# Altium PCB PCB1_1.pcbdoc (part 3 of 3) (continued)
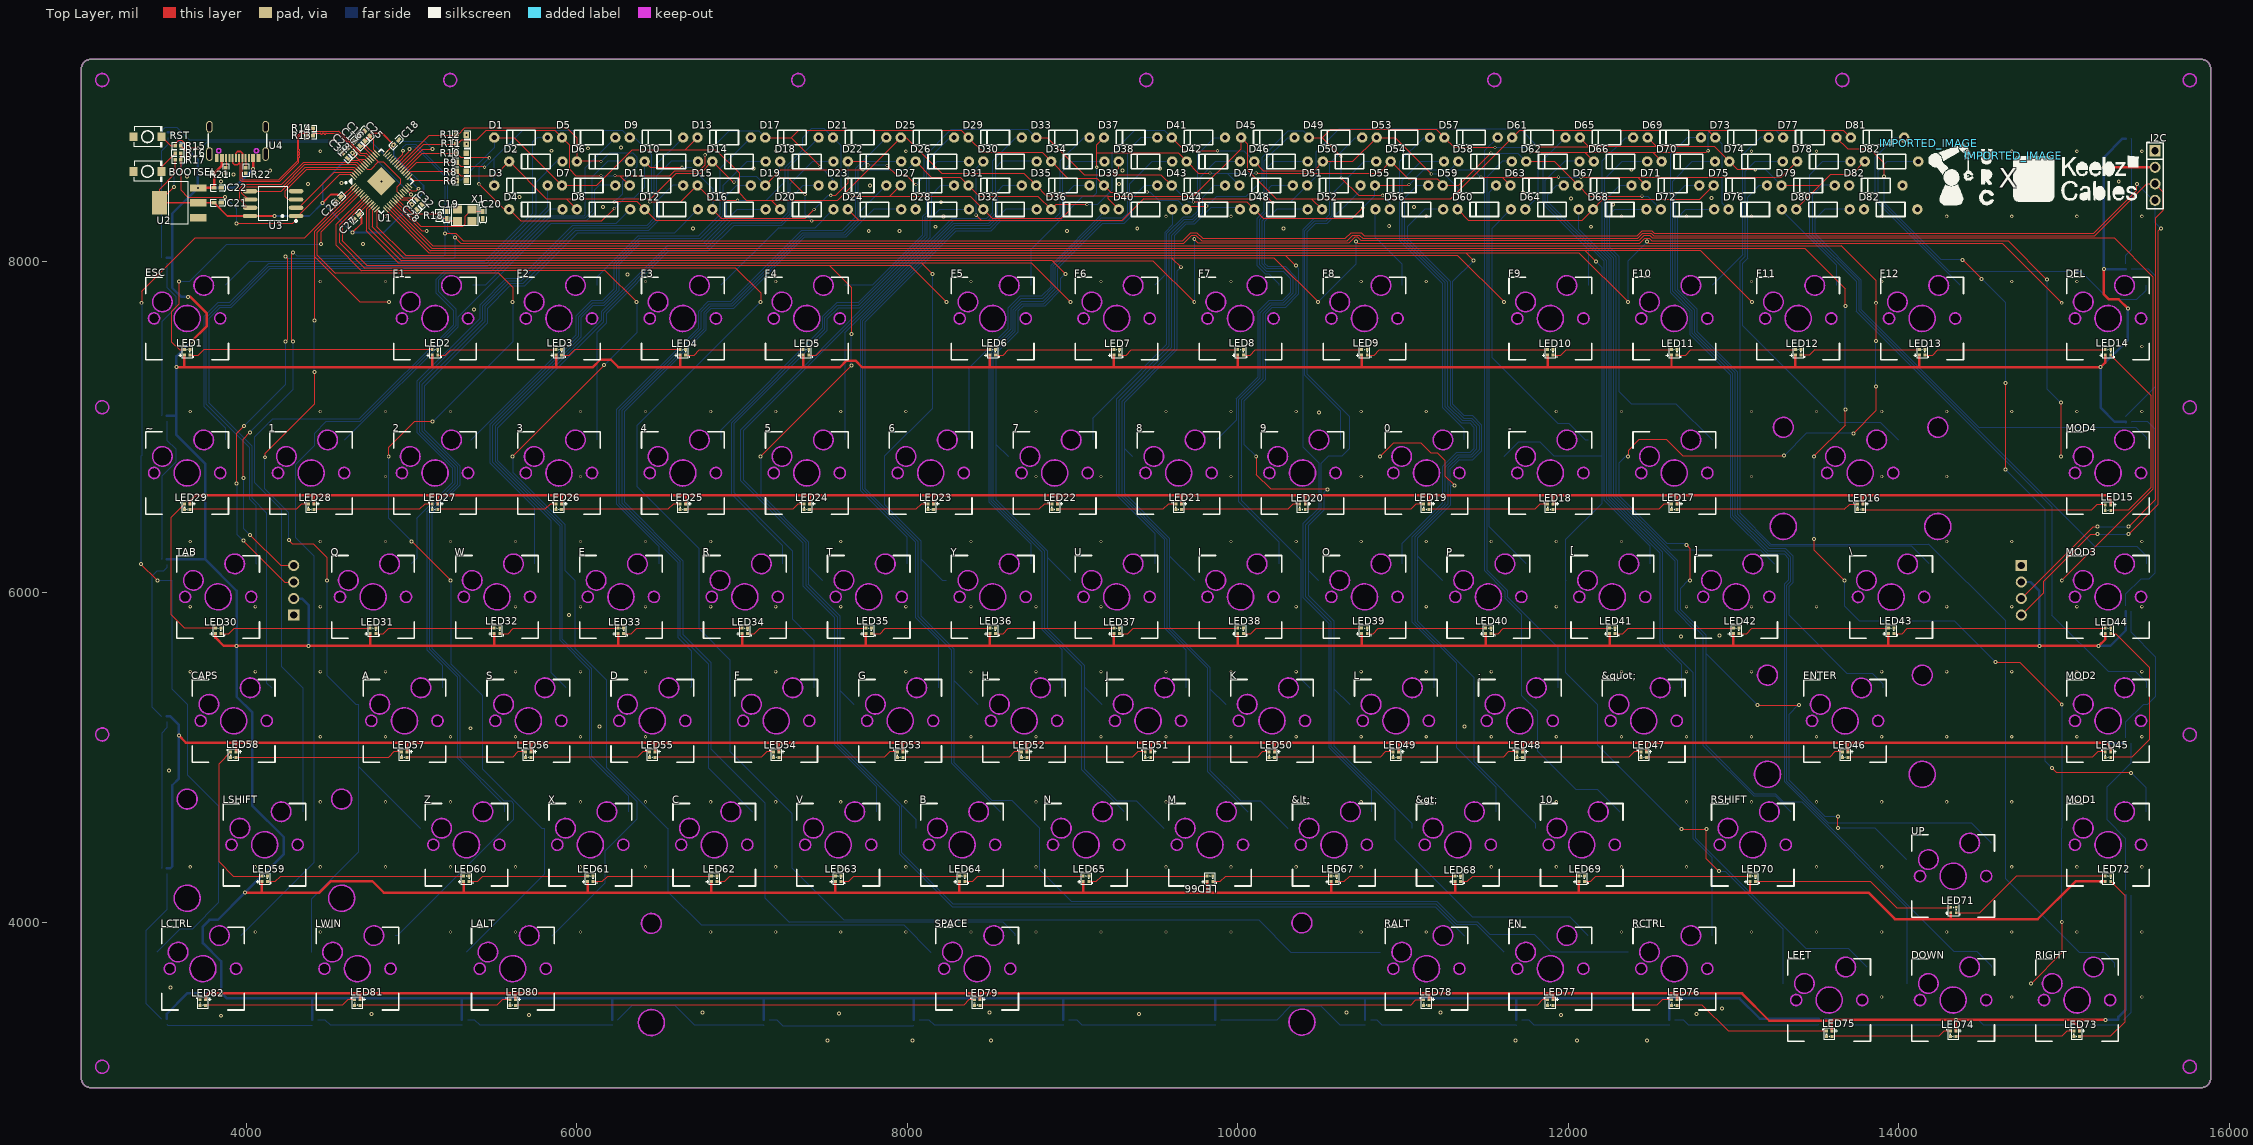
[diagram p0: Top Layer view]
## Nets (pads, with @x,y where several pads share a name; then routed paths per layer and width w, separated by ;. In a path a pad name is that pad's centre, name@x,y a point inside that pad or via, vN(x,y) a via of type N, cw(c..) or ccw(c..) an arc to the next point about the centre after c; other vN are vias at no path point) (continued)
  Bottom Layer w5: v1(5440.9,8570.51) 5445.9,8570.51 5499.48,8624.09 ; D3.1@5499.49,8460.51 5499.48,8624.09 ; v1(6440.9,8360.51) 6450.9,8370.51 6450.9,8650.51 6350.9,8750.51 D9.1@6319.49,8750.51 6274.48,8795.51 5670.9,8795.51 5499.48,8624.09 ; v1(6970.9,8370.51) 7145.9,8370.51 7260.9,8485.51 7260.9,8570.51 7365.9,8675.51 7365.9,8750.51 7420.9,8805.51 7494.48,8805.51 D21.1@7549.49,8750.51 7595.9,8704.09 7595.9,8455.51 v1(7655.9,8395.51) ; v1(8980.91,8315.51) 9060.91,8395.51 9125.91,8395.51 9145.91,8415.51 v1(9145.91,8570.51) ; v1(9830.91,8535.51) 9934.49,8535.51 ; D47.1@10009.49,8460.51 9934.49,8535.51 ; v1(10110.91,8535.51) 9934.49,8535.51 ; v1(11530.91,8655.51) 11694.49,8655.51 D62.1@11744.49,8605.51 ; v1(12445.91,8395.51) 12479.49,8395.51 D72.1@12559.49,8315.51
R4: D4.1 D10.1 D16.1 D22.1 D28.1 D33.1 D38.1 D43.1 D48.1 D55.1 D58.1 D63.1 D71.1 D78.1 R10.2 U1.32 | length 10673.8
  Top Layer w5: U1.32@4953.71,8545.37 5063.86,8655.51 R10.2@5271.24,8655.51 ; R10.2@5272.28,8654.68 5299.12,8627.84 v1@5469.58,8627.84 ; v1(5405.9,8470.51) 5560.9,8315.51 D4.1@5589.49,8315.51 5659.48,8245.51 6150.9,8245.51 v1(6225.9,8320.51) ; D10.1@6409.49,8605.51 6444.48,8570.51 v1(6635.9,8570.51) ; D16.1@6819.49,8315.51 6874.48,8260.51 7380.9,8260.51 v1(7435.9,8315.51) ; v1(7535.9,8400.51) 7565.9,8400.51 7640.9,8475.51 v1(7640.9,8505.51) ; D22.1@7639.49,8605.51 7740.9,8605.51 v1(7760.9,8585.51) ; v1(7875.9,8580.51) 7930.9,8525.51 7990.9,8525.51 v1(8050.9,8465.51) ; D33.1@8779.49,8750.51 8845.9,8750.51 9070.91,8525.51 9240.91,8525.51 ; D38.1@9279.49,8605.51 9279.48,8564.09 9240.91,8525.51 ; D43.1@9599.49,8460.51 9534.49,8525.51 9240.91,8525.51 ; v1(9730.91,8360.51) 10054.49,8360.51 D48.1@10099.49,8315.51 10154.49,8260.51 10690.91,8260.51 v1(10755.91,8325.51) ; D55.1@10829.49,8460.51 11030.91,8460.51 v1(11035.91,8465.51) ; v1(11470.91,8510.51) 11599.49,8510.51 ; D63.1@11649.49,8460.51 11599.49,8510.51 ; v1(11940.91,8510.51) 11599.49,8510.51 ; v1(12075.91,8510.51) 12419.49,8510.51 ; D71.1@12469.49,8460.51 12419.49,8510.51 ; D78.1@13384.49,8605.51 13289.48,8510.51 12419.49,8510.51
  Bottom Layer w5: v1(5405.9,8470.51) 5405.9,8564.17 v1(5469.59,8627.86) ; v1(6225.9,8320.51) 6290.9,8385.51 6345.9,8385.51 6410.9,8450.51 6410.9,8604.09 D10.1@6409.49,8605.51 ; v1(6635.9,8570.51) 6690.9,8570.51 6820.9,8440.51 6820.9,8316.93 D16.1@6819.49,8315.51 ; v1(7435.9,8315.51) 7520.9,8400.51 v1(7535.9,8400.51) ; D22.1@7639.49,8605.51 7640.9,8604.09 v1(7640.9,8505.51) ; v1(7760.9,8585.51) 7870.9,8585.51 v1(7875.9,8580.51) ; D28.1@8049.49,8315.51 8050.9,8316.93 v1(8050.9,8465.51) 8100.9,8515.51 8100.9,8635.51 8265.91,8800.51 8729.49,8800.51 D33.1@8779.49,8750.51 ; D43.1@9599.49,8460.51 9699.49,8360.51 v1(9730.91,8360.51) ; v1(10755.91,8325.51) 10829.48,8399.09 D55.1@10829.49,8460.51 ; v1(11035.91,8465.51) 11125.91,8555.51 11284.48,8555.51 ; D58.1@11334.49,8605.51 11284.48,8555.51 ; v1(11470.91,8510.51) 11425.91,8555.51 11284.48,8555.51 ; v1(11940.91,8510.51) v1(12075.91,8510.51)
R5: D5.1 D11.1 D17.1 D23.1 D29.1 D34.1 D39.1 D44.1 D49.1 D56.1 D57.1 D66.1 D70.1 D77.1 R11.2 U1.34 | length 10884.9
  Top Layer w5: U1.34@4931.45,8567.63 5074.32,8710.51 R11.2@5271.24,8710.51 ; R11.2@5269.57,8705.25 5302.86,8738.53 5394.12,8738.53 5450.1,8794.51 5866.5,8794.51 D5.1@5910.4,8750.61 ; D5.1@5909.49,8750.51 5955.9,8704.09 5955.9,8558.72 5994.11,8520.51 v1(6145.9,8520.51) ; v1(6230.9,8520.51) 6259.48,8520.51 ; D11.1@6319.49,8460.51 6259.48,8520.51 ; v1(6775.9,8645.51) 6775.9,8585.51 6740.9,8550.51 6590.9,8550.51 6560.9,8520.51 6259.48,8520.51 ; D17.1@7139.49,8750.51 7295.9,8750.51 ; v1(7470.9,8575.51) 7295.9,8750.51 ; v1(9450.91,8420.51) 9229.49,8420.51 D39.1@9189.49,8460.51 9144.49,8505.51 8969.49,8505.51 D34.1@8869.49,8605.51 8814.49,8660.51 8459.49,8660.51 D29.1@8369.49,8750.51 8324.49,8795.51 7340.9,8795.51 7295.9,8750.51 ; D44.1@9689.49,8315.51 9709.48,8335.51 v1(9810.91,8335.51) ; D49.1@10429.49,8750.51 10510.9,8750.51 ; v1(10625.91,8505.51) 10730.91,8400.51 v1(10875.91,8400.51) ; v1(10625.91,8635.51) 10510.9,8750.51 ; v1(11555.91,8690.51) 11309.49,8690.51 D57.1@11249.49,8750.51 11199.49,8800.51 10560.9,8800.51 10510.9,8750.51 ; v1(11770.91,8660.51) 12099.49,8660.51 ; D66.1@12154.49,8605.51 12099.49,8660.51 ; D70.1@12564.49,8605.51 12509.49,8660.51 ; v1(12845.91,8670.51) 12835.91,8660.51 12509.49,8660.51 ; 12099.49,8660.51 12509.49,8660.51
  Bottom Layer w5: v1(6145.9,8520.51) v1(6230.9,8520.51) ; v1(6775.9,8645.51) 6920.9,8790.51 7099.48,8790.51 D17.1@7139.49,8750.51 ; v1(7470.9,8575.51) 7549.48,8496.93 D23.1@7549.49,8460.51 ; v1(9450.91,8420.51) 9470.91,8420.51 9520.91,8370.51 9634.49,8370.51 D44.1@9689.49,8315.51 ; v1(9810.91,8335.51) 9870.91,8395.51 10050.91,8395.51 10145.91,8490.51 10145.91,8630.51 10305.91,8790.51 10395.91,8790.51 10429.48,8756.93 D49.1@10429.49,8750.51 ; v1(10625.91,8505.51) v1(10625.91,8635.51) ; v1(10875.91,8400.51) 10919.48,8356.93 D56.1@10919.49,8315.51 ; v1(11555.91,8690.51) 11740.91,8690.51 v1(11770.91,8660.51) ; v1(12845.91,8670.51) 12845.91,8775.51 12865.91,8795.51 13254.49,8795.51 D77.1@13299.49,8750.51
R6: D6.1 D12.1 D18.1 D24.1 D30.1 D51.1 D64.1 D65.1 D69.1 D74.1 D79.1 D80.1 D82.1@13794.49,8605.51 R12.2 U1.35 | length 11950.3
  Top Layer w5: U1.35@4920.31,8578.77 5107.05,8765.51 R12.2@5271.24,8765.51 ; R12.2@5280.65,8768.58 5321.41,8809.35 5938.68,8809.35 6000.15,8747.88 D6.1@6000.15,8606.82 ; D6.1@5999.49,8605.51 v1(6145.9,8605.51) ; v1(6225.9,8360.51) 6364.48,8360.51 D12.1@6409.49,8315.51 6479.48,8245.51 v1(7420.9,8245.51) 7709.48,8245.51 ; v1(7225.9,8505.51) 7280.9,8505.51 v1(7380.9,8405.51) ; D24.1@7639.49,8315.51 7709.48,8245.51 ; v1(8415.91,8280.51) 8450.91,8245.51 ; v1(10210.91,8355.51) 10185.91,8380.51 9430.91,8380.51 9295.91,8245.51 8450.91,8245.51 ; v1(11815.91,8695.51) 12124.49,8695.51 ; D65.1@12069.49,8750.51 12124.49,8695.51 ; D69.1@12479.49,8750.51 12534.49,8695.51 ; v1(13130.91,8555.51) 13024.49,8555.51 D74.1@12974.49,8605.51 12884.49,8695.51 12534.49,8695.51 ; D79.1@13289.49,8460.51 13520.91,8460.51 ; D80.1@13379.49,8315.51 13379.48,8319.09 13520.91,8460.51 ; D82.1@13794.49,8605.51 13714.48,8525.51 13585.91,8525.51 13520.91,8460.51 ; 7709.48,8245.51 8450.91,8245.51 ; 12124.49,8695.51 12534.49,8695.51
  Bottom Layer w5: v1(6145.9,8605.51) 6195.9,8655.51 6340.9,8655.51 6365.9,8630.51 6365.9,8575.51 6275.9,8485.51 6275.9,8410.51 v1(6225.9,8360.51) ; v1(7225.9,8505.51) 7225.9,8601.93 D18.1@7229.49,8605.51 ; v1(7380.9,8405.51) 7380.9,8285.51 v1(7420.9,8245.51) ; v1(8415.91,8280.51) 8415.91,8565.51 8455.91,8605.51 D30.1@8459.49,8605.51 ; v1(10210.91,8355.51) 10314.48,8355.51 D51.1@10419.49,8460.51 10470.91,8511.93 10470.91,8660.51 10610.91,8800.51 11710.91,8800.51 v1(11815.91,8695.51) 11815.91,8391.93 D64.1@11739.49,8315.51 ; v1(13130.91,8555.51) 13194.49,8555.51 D79.1@13289.49,8460.51
SCL1: I2C.3 U1.37 | length 17815.4
  Top Layer w5: v2(3940.91,6655.51) 3940.91,6960.51 v2(3985.91,7005.51) ; v2(3980.91,6310.51) 4230.9,6060.51 I2C.3@4285.9,6060.51 ; v2(4235.9,7515.51) 4245.9,7525.51 4245.9,8020.51 v2(4235.9,8030.51) ; U1.37@4898.04,8601.04 4945.9,8648.91 v2(4945.9,8670.51) ; v2(5260.9,8145.51) 5295.9,8110.51 9670.91,8110.51 9720.91,8160.51 9745.91,8160.51 9780.91,8125.51 10660.91,8125.51 10695.91,8160.51 10735.91,8160.51 10755.91,8140.51 12420.91,8140.51 12450.91,8170.51 12500.91,8170.51 12515.91,8155.51 15185.91,8155.51 15500.91,8470.51 I2C.3@15550.91,8470.51 15600.91,8420.51 15600.91,8310.51 15555.91,8265.51 15555.91,6560.51 v2(15390.91,6395.51) ; I2C.3@14740.91,5960.51 15175.91,6395.51 v2(15200.91,6395.51)
  Bottom Layer w5: v2(3940.91,6655.51) 3940.91,6350.51 v2(3980.91,6310.51) ; v2(3985.91,7005.51) 4235.9,7255.51 v2(4235.9,7515.51) ; v2(4235.9,8030.51) 4250.9,8015.51 5250.9,8015.51 5260.9,8025.51 v2(5260.9,8145.51) 5215.9,8190.51 5215.9,8520.51 5025.9,8710.51 4965.9,8710.51 4945.9,8690.51 v2(4945.9,8670.51) ; v2(15200.91,6395.51) v2(15390.91,6395.51)
SDA1: I2C.4 U1.36 | length 17672
  Top Layer w5: v2(3980.91,6690.51) 3980.91,6925.51 v2(4020.91,6965.51) ; v2(4020.91,6345.51) 4205.9,6160.51 I2C.4@4285.9,6160.51 ; v2(4280.9,7515.51) 4270.9,7525.51 4270.9,8045.51 v2(4280.9,8055.51) ; U1.36@4909.17,8589.91 4985.9,8666.64 v2(4985.9,8680.51) ; v2(5200.9,8170.51) 5265.9,8170.51 5310.9,8125.51 9665.91,8125.51 9715.91,8175.51 9750.91,8175.51 9785.91,8140.51 10650.91,8140.51 10685.91,8175.51 10745.91,8175.51 10765.91,8155.51 12415.91,8155.51 12445.91,8185.51 12505.91,8185.51 12520.91,8170.51 15180.91,8170.51 15440.91,8430.51 v2(15440.91,8470.51) ; I2C.4@14740.91,5860.51 14875.91,5995.51 14875.91,6065.51 15160.91,6350.51 v2(15200.91,6350.51) ; v2(15390.91,6350.51) 15570.91,6530.51 15570.91,8185.51 v2(15585.91,8200.51)
  Bottom Layer w5: v2(3980.91,6690.51) 3980.91,6385.51 v2(4020.91,6345.51) ; v2(4020.91,6965.51) 4280.9,7225.51 v2(4280.9,7515.51) ; v2(4280.9,8055.51) 4305.9,8030.51 5190.9,8030.51 5200.9,8040.51 v2(5200.9,8170.51) 5200.9,8515.51 5020.9,8695.51 5000.9,8695.51 v2(4985.9,8680.51) ; v2(15200.91,6350.51) v2(15390.91,6350.51) ; v2(15440.91,8470.51) 15540.91,8370.51 I2C.4@15550.91,8370.51 15550.91,8235.51 v2(15585.91,8200.51)
VCC: C22.2 I2C.2 LED1.2 LED2.2 LED3.2 LED4.2 LED5.2 LED6.2 LED7.2 LED8.2 LED9.2 LED10.2 LED11.2 LED12.2 LED13.2 LED14.2 LED15.2 LED16.2 LED17.2 LED18.2 LED19.2 LED20.2 LED21.2 LED22.2 LED23.2 LED24.2 LED25.2 LED26.2 LED27.2 LED28.2 LED29.2 LED30.2 LED31.2 LED32.2 LED33.2 LED34.2 LED35.2 LED36.2 LED37.2 LED38.2 LED39.2 LED40.2 LED41.2 LED42.2 LED43.2 LED44.2 LED45.2 LED46.2 LED47.2 LED48.2 LED49.2 LED50.2 LED51.2 LED52.2 LED53.2 LED54.2 LED55.2 LED56.2 LED57.2 LED58.2 LED59.2 LED60.2 LED61.2 LED62.2 LED63.2 LED64.2 LED65.2 LED66.2 LED67.2 LED68.2 LED69.2 LED70.2 LED71.2 LED72.2 LED73.2 LED74.2 LED75.2 LED76.2 LED77.2 LED78.2 LED79.2 LED80.2 LED81.2 LED82.2 LED83.2 LED84.2 LED85.2 LED86.2 LED87.2 LED88.2 LED89.2 LED90.2 LED91.2 LED92.2 LED93.2 LED94.2 LED95.2 LED96.2 LED97.2 LED98.2 LED99.2 LED100.2 LED101.2 LED102.2 LED103.2 LED104.2 LED105.2 LED106.2 LED107.2 LED108.2 U2.3 U4.A4B9 U4.B4A9 | length 98812.9
  Top Layer w15: v2(3575.91,7361.31) 5123.26,7361.31 ; v2(3590.91,5130.51) 3632.27,5089.14 3937.64,5089.14 ; 3624.18,7361.37 LED1.2@3624.18,7433.78 ; v2(3645.91,7785.51) 3660.91,7785.51 3760.91,7685.51 3760.91,7610.51 v2(3665.91,7515.51) ; LED29.2@3657.64,6532.24 3657.64,6552.24 3690.82,6585.43 v2(3750.91,6585.43) 4405.18,6585.43 ; v2(3705.91,8445.51) 3706.45,8446.06 U2.3@3707.83,8446.06 C22.2@3804.99,8446.06 ; LED82.2@3752.64,3532.24 3752.64,3552.24 3770.91,3570.51 v2(3845.91,3570.51) 4687.39,3570.51 ; C22.2@3804.45,8445.51 C22.2@3804.99,8446.06 ; LED30.2@3811.87,5748.78 3811.87,5724.55 3862.41,5674.01 v2(3940.91,5674.01) v2(4375.63,5674.01) 4750.08,5674.01 ; U4.B4A9@3851.42,8626.02 3851.42,8581.02 3805.91,8535.51 3805.91,8446.97 C22.2@3804.99,8446.06 ; LED58.2@3937.64,5032.24 3937.64,5089.14 ; v2(3990.97,4180.58) 4092.67,4180.58 ; v2(4040.4,8560.51) U4.A4B9@4040.4,8626.02 ; LED59.2@4092.86,4248.78 4092.86,4180.76 4092.67,4180.58 ; LED28.2@4407.64,6532.24 4407.64,6582.97 4405.18,6585.43 ; LED81.2@4687.64,3532.24 4687.64,3570.26 4687.39,3570.51 ; LED31.2@4749.18,5748.78 4749.18,5674.91 4750.08,5674.01 ; LED57.2@4972.64,5032.24 4972.64,5088 4973.78,5089.14 ; LED2.2@5124.18,7433.78 5124.18,7362.22 5123.26,7361.31 ; LED27.2@5157.64,6532.24 5157.64,6584.25 5156.45,6585.43 ; LED60.2@5314.18,4248.78 5314.18,4180.85 5314.51,4180.51 ; LED32.2@5499.18,5748.78 5499.18,5677.5 5495.68,5674.01 ; LED80.2@5627.64,3532.24 5627.64,3570.48 ; LED56.2@5722.64,5032.24 5722.64,5088.16 5723.62,5089.14 ; LED3.2@5874.18,7433.78 5874.18,7361.95 5873.53,7361.31 ; LED26.2@5907.64,6532.24 5907.64,6584.62 5906.82,6585.43 ; LED61.2@6064.18,4248.78 6064.18,4180.85 6064.52,4180.51 ; LED33.2@6249.18,5748.78 6249.18,5674.54 6249.71,5674.01 ; LED55.2@6472.64,5032.24 6472.64,5088.91 6472.4,5089.14 ; LED4.2@6624.18,7433.78 6624.18,7361.01 6623.67,7360.51 ; LED25.2@6657.64,6532.24 6657.64,6584.47 6656.67,6585.43 ; LED62.2@6814.18,4248.78 6814.18,4181.2 6814.86,4180.51 ; LED34.2@6999.18,5748.78 6999.18,5675.45 7000.62,5674.01 ; LED54.2@7222.64,5032.24 7222.64,5089.06 7222.55,5089.14 ; LED5.2@7369.18,7433.78 7369.18,7360.61 7369.07,7360.51 ; LED24.2@7407.64,6532.24 7407.64,6585.43 ; LED63.2@7564.18,4248.78 7564.18,4181.11 7563.57,4180.51 ; LED35.2@7749.18,5748.78 7749.18,5674.14 7749.04,5674.01 ; LED53.2@7972.64,5032.24 7972.64,5088.04 7971.53,5089.14 ; LED23.2@8157.64,6532.24 8157.64,6585.23 8157.83,6585.43 ; LED64.2@8314.17,4248.78 8314.17,4180.59 8314.1,4180.51 ; LED79.2@8438.88,3532.24 8438.88,3569.8 8439.59,3570.51 ; LED36.2@8499.17,5748.78 8499.17,5674.49 8498.69,5674.01 ; LED6.2@8499.17,7433.78 8499.17,7360.96 8498.72,7360.51 ; LED52.2@8722.64,5032.24 8722.64,5088.51 8722,5089.14 ; LED22.2@8907.64,6532.24 8907.64,6583.81 8906.02,6585.43 ; LED65.2@9064.17,4248.78 9064.17,4182.55 9062.13,4180.51 ; LED37.2@9249.17,5748.78 9249.17,5674.3 9249.47,5674.01 ; LED7.2@9249.17,7433.78 9249.17,7362.07 9247.62,7360.51 ; LED51.2@9472.64,5032.24 9472.64,5088.87 9472.37,5089.14 ; LED21.2@9657.64,6532.24 9657.64,6585.42 ; LED66.2@9814.17,4248.78 9814.17,4181.94 9812.74,4180.51 ; LED38.2@9999.17,5748.78 9999.17,5674.23 9998.95,5674.01 ; LED8.2@9999.17,7433.78 9999.17,7361.28 9999.95,7360.51 ; LED50.2@10222.64,5032.24 10222.64,5086.73 10220.22,5089.14 ; LED20.2@10407.64,6532.24 10407.64,6585.26 10407.47,6585.43 ; LED67.2@10564.17,4248.78 10564.17,4180.71 10563.97,4180.51 ; LED39.2@10749.17,5748.78 10749.17,5674.24 10749.41,5674.01 ; LED9.2@10749.17,7433.78 10749.17,7360.61 10749.08,7360.51 ; LED49.2@10972.64,5032.24 10972.64,5089.08 ; LED78.2@11157.64,3532.24 11157.64,3570.09 11158.06,3570.51 ; LED19.2@11157.64,6532.24 11157.64,6584.31 11156.51,6585.43 ; LED68.2@11314.17,4248.78 11314.17,4181.71 11312.98,4180.51 ; LED40.2@11499.17,5748.78 11499.17,5675.08 11498.1,5674.01 ; LED48.2@11722.64,5032.24 11722.64,5088.58 11722.07,5089.14 ; LED10.2@11874.17,7433.78 11874.17,7360.85 11874.51,7360.51 ; LED77.2@11907.64,3532.24 11907.64,3570.06 11908.09,3570.51 ; LED18.2@11907.64,6532.24 11907.64,6582.51 11904.72,6585.43 ; LED69.2@12064.17,4248.78 12064.17,4181.46 12063.22,4180.51 ; LED41.2@12249.17,5748.78 12249.17,5675.54 12247.64,5674.01 ; LED47.2@12472.64,5032.24 12472.64,5087.24 12470.73,5089.14 ; 12624.17,7360.53 LED11.2@12624.17,7433.78 ; LED76.2@12657.64,3532.24 12657.64,3569.96 12658.18,3570.51 ; LED17.2@12657.64,6532.24 12657.64,6583.1 12655.31,6585.43 ; LED42.2@12999.17,5748.78 12999.17,5674.38 12998.81,5674.01 ; 13099.17,4180.56 LED70.2@13099.17,4248.78 ; LED12.2@13374.17,7433.78 13374.17,7361.26 13373.43,7360.51 ; LED75.2@13595.35,3342.24 13595.35,3404.84 13596.01,3405.51 ; LED46.2@13691.32,5032.24 13691.32,5088.77 13690.94,5089.14 ; LED16.2@13782.64,6532.24 13782.64,6585.1 13782.97,6585.43 ; 13936.12,5674.07 LED43.2@13936.12,5748.78 ; LED13.2@14124.17,7433.78 14124.17,7361.09 14123.59,7360.51 ; LED71.2@14314.17,4058.78 14314.17,4020.81 14313.88,4020.51 ; LED74.2@14345.18,3342.24 14345.18,3409.78 v2(14345.91,3410.51) ; LED73.2@15092.64,3342.24 15092.64,3363.78 15045.91,3410.51 ; v2(15240.91,7955.51) 15240.91,7800.51 15270.91,7770.51 15330.91,7770.51 v2(15385.91,7715.51) ; v2(15240.91,8570.32) 15550.72,8570.32 I2C.2@15550.91,8570.51 ; LED72.2@15249.17,4248.78 15069.17,4248.78 14840.91,4020.51 14313.88,4020.51 ; LED44.2@15249.17,5748.78 15249.17,5713.78 v2(15209.4,5674.01) v2(14850.91,5674.01) 12998.81,5674.01 ; LED14.2@15249.17,7433.78 15249.17,7388.78 v2(15220.91,7360.51) 14123.59,7360.51 ; v2(15250.91,3410.51) 15045.91,3410.51 ; LED45.2@15282.64,5032.24 15282.64,5058.78 v2(15252.27,5089.14) 13690.94,5089.14 ; LED15.2@15282.64,6527.24 15282.64,6558.78 15255.99,6585.43 13782.97,6585.43 ; 3937.64,5089.14 v2(4035.91,5089.14) 4973.78,5089.14 ; 4092.67,4180.58 4440.97,4180.58 4510.9,4250.51 4760.9,4250.51 4830.9,4180.51 5314.51,4180.51 ; 4405.18,6585.43 5156.45,6585.43 ; 4687.39,3570.51 8439.59,3570.51 ; 4750.08,5674.01 5495.68,5674.01 ; 4973.78,5089.14 5723.62,5089.14 ; 5123.26,7361.31 5873.53,7361.31 ; 5156.45,6585.43 5906.82,6585.43 ; 5314.51,4180.51 6064.52,4180.51 ; 5495.68,5674.01 6249.71,5674.01 ; 5723.62,5089.14 6472.4,5089.14 ; 5873.53,7361.31 6096.7,7361.31 6140.9,7405.51 6205.9,7405.51 6250.9,7360.51 6623.67,7360.51 ; 5906.82,6585.43 6656.67,6585.43 ; 6064.52,4180.51 6814.86,4180.51 ; 6249.71,5674.01 7000.62,5674.01 ; 6472.4,5089.14 7222.55,5089.14 ; 6623.67,7360.51 7369.07,7360.51 ; 6656.67,6585.43 8157.83,6585.43 ; 6814.86,4180.51 7563.57,4180.51 ; 7000.62,5674.01 7749.04,5674.01 ; 7222.55,5089.14 7971.53,5089.14 ; 7369.07,7360.51 7590.9,7360.51 7630.9,7400.51 7685.9,7400.51 7725.9,7360.51 8498.72,7360.51 ; 7563.57,4180.51 8314.1,4180.51 ; 7749.04,5674.01 8498.69,5674.01 ; 7971.53,5089.14 8722,5089.14 ; 8157.83,6585.43 8906.02,6585.43 ; 8314.1,4180.51 9062.13,4180.51 ; 8439.59,3570.51 11158.06,3570.51 ; 8498.69,5674.01 9249.47,5674.01 ; 8498.72,7360.51 9247.62,7360.51 ; 8722,5089.14 9472.37,5089.14 ; 8906.02,6585.43 10407.47,6585.43 ; 9062.13,4180.51 9812.74,4180.51 ; 9247.62,7360.51 9999.95,7360.51 ; 9249.47,5674.01 9998.95,5674.01 ; 9472.37,5089.14 10220.22,5089.14 ; 9812.74,4180.51 10563.97,4180.51 ; 9998.95,5674.01 10749.41,5674.01 ; 9999.95,7360.51 10749.08,7360.51 ; 10220.22,5089.14 11722.07,5089.14 ; 10407.47,6585.43 11156.51,6585.43 ; 10563.97,4180.51 11312.98,4180.51 ; 10749.08,7360.51 11874.51,7360.51 ; 10749.41,5674.01 11498.1,5674.01 ; 11156.51,6585.43 11904.72,6585.43 ; 11158.06,3570.51 11908.09,3570.51 ; 11312.98,4180.51 12063.22,4180.51 ; 11498.1,5674.01 12247.64,5674.01 ; 11722.07,5089.14 12470.73,5089.14 ; 11874.51,7360.51 13373.43,7360.51 ; 11904.72,6585.43 12655.31,6585.43 ; 11908.09,3570.51 12658.18,3570.51 ; 12063.22,4180.51 13815.91,4180.51 13975.91,4020.51 14313.88,4020.51 ; 12247.64,5674.01 12998.81,5674.01 ; 12470.73,5089.14 13690.94,5089.14 ; 12655.31,6585.43 13782.97,6585.43 ; 12658.18,3570.51 13050.91,3570.51 13215.91,3405.51 13596.01,3405.51 ; 13373.43,7360.51 14123.59,7360.51 ; 13596.01,3405.51 13601.01,3410.51 v2(14345.91,3410.51) ; v2(14345.91,3410.51) 15045.91,3410.51
  Bottom Layer w15: LED89.2@3517.64,3417.24 3517.64,3447.24 3640.91,3570.51 v2(3845.91,3570.51) ; LED88.2@3517.64,4327.24 3538.85,4327.24 3550.91,4339.3 3550.91,4830.51 3590.91,4870.51 v2(3590.91,5130.51) 3590.91,5195.51 3539.18,5247.24 LED87.2@3517.64,5247.24 ; LED86.2@3517.64,6197.24 3750.91,6197.24 ; LED85.2@3517.64,7067.24 3575.4,7067.24 3575.91,7067.74 ; LED84.2@3517.64,8022.24 3549.72,8022.24 3550.91,8023.42 ; LED83.2@3522.64,8782.24 3538.99,8782.24 3705.91,8615.33 v2(3705.91,8445.51) ; v2(3645.91,7785.51) 3605.91,7785.51 3550.91,7840.51 3550.91,8023.42 ; v2(3665.91,7515.51) 3575.91,7425.51 v2(3575.91,7361.31) 3575.91,7067.74 ; v2(4040.4,8560.51) 3925.4,8445.51 v2(3705.91,8445.51) ; I2C.2@4285.9,5960.51 4335.9,5960.51 4375.63,5920.79 v2(4375.63,5674.01) ; LED90.2@4399.18,3412.24 4399.18,3538.42 4397.08,3540.51 ; LED91.2@5304.18,3412.24 5304.18,3539.3 5305.39,3540.51 ; LED92.2@6214.18,3412.24 6214.18,3539.7 6213.37,3540.51 ; LED93.2@7129.18,3412.24 7129.18,3539.88 7128.55,3540.51 ; LED94.2@8039.18,3412.24 8039.18,3539.66 8040.02,3540.51 ; LED95.2@8944.17,3412.24 8944.17,3539.97 8943.63,3540.51 ; LED96.2@9864.17,3412.24 9864.17,3540.18 9864.5,3540.51 ; LED97.2@10769.17,3412.24 10769.17,3540.31 10769.38,3540.51 ; LED98.2@11684.17,3412.24 11684.17,3539.98 11684.7,3540.51 ; LED99.2@12611.16,3412.24 12611.16,3540.23 12610.88,3540.51 ; LED100.2@13516.16,3417.24 13159.18,3417.24 13035.91,3540.51 12610.88,3540.51 ; v2(14345.91,3410.51) 14347.64,3412.24 LED101.2@14407.19,3412.24 ; I2C.2@14740.91,6060.51 14795.91,6060.51 14850.91,6005.51 v2(14850.91,5674.01) ; v2(15209.4,5674.01) 15279.4,5674.01 15374.17,5768.78 LED105.2@15374.17,5883.78 ; v2(15250.91,3410.51) 15252.64,3412.24 LED102.2@15329.17,3412.24 15329.17,3428.6 15374.17,3473.6 LED103.2@15374.17,4163.78 ; v2(15252.27,5089.14) 15257.64,5083.78 LED104.2@15374.17,5083.78 ; LED106.2@15374.17,7028.78 15372.44,7030.51 15305.91,7030.51 15220.91,7115.51 v2(15220.91,7360.51) 15385.91,7525.51 v2(15385.91,7715.51) ; LED107.2@15374.17,7953.78 15242.64,7953.78 v2(15240.91,7955.51) v2(15240.91,8570.32) 15240.91,8630.51 15354.17,8743.78 LED108.2@15374.17,8743.78 ; 3550.91,8023.42 3550.91,8290.51 v2(3705.91,8445.51) ; 3575.91,7067.74 3575.91,6950.51 3750.91,6775.51 v2(3750.91,6585.43) 3750.91,6197.24 ; 3750.91,6197.24 3940.91,6007.24 v2(3940.91,5674.01) 3940.91,5365.51 4035.91,5270.51 v2(4035.91,5089.14) 4035.91,4705.51 4225.9,4515.51 4225.9,4415.51 v2(3990.97,4180.58) 3825.91,4015.51 3775.91,4015.51 3735.91,3975.51 3735.91,3875.51 3845.91,3765.51 v2(3845.91,3570.51) ; v2(3845.91,3570.51) 3850.91,3570.51 3880.91,3540.51 4397.08,3540.51 ; 4397.08,3540.51 5305.39,3540.51 ; 5305.39,3540.51 6213.37,3540.51 ; 6213.37,3540.51 7128.55,3540.51 ; 7128.55,3540.51 8040.02,3540.51 ; 8040.02,3540.51 8943.63,3540.51 ; 8943.63,3540.51 9864.5,3540.51 ; 9864.5,3540.51 10769.38,3540.51 ; 10769.38,3540.51 11684.7,3540.51 ; 11684.7,3540.51 12610.88,3540.51
XIN: C20.2 U1.20 X1.1 | length 674.6
  Top Layer w5: U1.20@4898.04,8369.98 5057.5,8210.51 5305.9,8210.51 5320.9,8225.51 5320.9,8271.65 X1.1@5364.22,8314.96 5377.2,8301.97 C20.2@5430.9,8301.97
XOUT: R18.1 U1.21 | length 301.3
  Top Layer w5: U1.21@4909.17,8381.11 5004.76,8285.51 5153.86,8285.51 R18.1@5165.9,8297.55
pads on no net: D82.1@13699.49,8460.51 D82.1@13789.49,8315.51 D82.2@14022.32,8460.51 D82.2@14112.32,8315.51 LED82.1 LED108.1 U1.6 U1.24 U1.25 U1.28 U1.38 U1.39 U1.40 U1.41 U4.A8 U4.B8

## Keep-outs
Board Outline Layer:
  circle w10: c15760.91,3126.76 r39.37
  circle w10: c15760.91,5136.86 r39.37
  circle w10: c15760.91,7117.17 r39.37
  circle w10: c15760.91,9097.49 r39.37
  circle w10: c13658.23,9098.66 r39.37
  circle w10: c11551.94,9098.66 r39.37
  circle w10: c9445.64,9098.66 r39.37
  circle w10: c7339.35,9098.66 r39.37
  circle w10: c5233.05,9098.66 r39.37
  circle w10: c3126.76,9098.66 r39.37
  circle w10: c3126.76,7118.35 r39.37
  circle w10: c3126.76,5138.04 r39.37
  circle w10: c3126.76,3126.76 r39.37
  circle w1: c6450.51,3994.29 r60.04
  circle w10: c6450.51,3994.29 r60.04
  circle w1: c6450.51,3394.29 r78.74
  circle w10: c6450.51,3394.29 r78.74
  circle w1: c10387.52,3397.06 r78.74
  circle w10: c10387.52,3397.06 r78.74
  circle w1: c10387.52,3997.06 r60.04
  circle w10: c10387.52,3997.06 r60.04
  circle w1: c13204.92,4896.71 r78.74
  circle w10: c13204.92,4896.71 r78.74
  circle w1: c13204.92,5496.71 r60.04
  circle w10: c13204.92,5496.71 r60.04
  circle w1: c14141.93,4896.71 r78.74
  circle w10: c14141.93,4896.71 r78.74
  circle w1: c14141.89,5496.71 r60.04
  circle w10: c14141.89,5496.71 r60.04
  circle w1: c13300.91,6996.71 r60.04
  circle w10: c13300.91,6996.71 r60.04
  circle w1: c13300.94,6396.71 r78.74
  circle w10: c13300.94,6396.71 r78.74
  circle w1: c14235.91,6996.71 r60.04
  circle w10: c14235.91,6996.71 r60.04
  circle w1: c14235.94,6396.71 r78.74
  circle w10: c14235.94,6396.71 r78.74
  circle w1: c4575.9,4746.71 r60.04
  circle w10: c4575.9,4746.71 r60.04
  circle w1: c4575.9,4146.71 r78.74
  circle w10: c4575.9,4146.71 r78.74
  circle w1: c3640.91,4746.71 r60.04
  circle w10: c3640.91,4746.71 r60.04
  circle w1: c3640.91,4146.71 r78.74
  circle w10: c3640.91,4146.71 r78.74
  lines w10: 3000,3059.05 3000,9165.19 cw(c3059.05,9165.19) 3059.05,9224.24 15828.61,9224.24 cw(c15828.61,9165.19) 15887.67,9165.19 15887.67,3059.05 cw(c15828.61,3059.05) 15828.61,3000 3059.05,3000 cw(c3059.05,3059.05) 3000,3059.05

## Silkscreen, mask and mechanical layers (free items; w line width, h text height)
Top Silkscreen Layer:
  text "X" at 14605.91,8445.51 h120
Mechanical Layer:
  circle w1: c6450.51,3994.29 r60.04
  circle w1: c6450.51,3394.29 r78.74
  circle w1: c10387.52,3397.06 r78.74
  circle w1: c10387.52,3997.06 r60.04
  circle w1: c13204.92,4896.71 r78.74
  circle w1: c13204.92,5496.71 r60.04
  circle w1: c14141.93,4896.71 r78.74
  circle w1: c14141.89,5496.71 r60.04
  circle w1: c13300.91,6996.71 r60.04
  circle w1: c13300.94,6396.71 r78.74
  circle w1: c14235.91,6996.71 r60.04
  circle w1: c14235.94,6396.71 r78.74
  circle w1: c4575.9,4746.71 r60.04
  circle w1: c4575.9,4146.71 r78.74
  circle w1: c3640.91,4746.71 r60.04
  circle w1: c3640.91,4146.71 r78.74
Mech6:
  drawing of 153 lines, arcs and shapes, not listed

## Text inside footprints (layer, text, board x,y; h text height)
0: Mech6 "1U" at 11392.95,6348.64 h117.97
1: Mech6 "1U" at 4642.95,6348.64 h117.97
2: Mech6 "1U" at 5392.95,6348.64 h117.97
3: Mech6 "1U" at 6142.95,6348.64 h117.97
4: Mech6 "1U" at 6892.95,6348.64 h117.97
5: Mech6 "1U" at 7642.95,6348.64 h117.97
6: Mech6 "1U" at 8392.95,6348.64 h117.97
7: Mech6 "1U" at 9142.95,6348.64 h117.97
8: Mech6 "1U" at 9892.95,6348.64 h117.97
9: Mech6 "1U" at 10642.95,6348.64 h117.97
10: Mech6 "1U" at 12332.95,4098.64 h117.97
&gt;: Mech6 "1U" at 11582.95,4098.64 h117.97
&lt;: Mech6 "1U" at 10832.95,4098.64 h117.97
&quot;: Mech6 "1U" at 12707.95,4848.64 h117.97
-: Mech6 "1U" at 12142.95,6348.64 h117.97
;: Mech6 "1U" at 11957.95,4848.64 h117.97
[: Mech6 "1U" at 12517.95,5598.64 h117.97
\: Mech6 "1U" at 14205.33,5598.2 h117.97
]: Mech6 "1U" at 13267.95,5598.64 h117.97
A: Mech6 "1U" at 5207.95,4848.64 h117.97
B: Mech6 "1U" at 8582.95,4098.64 h117.97
BACKSPACE: Mech6 "1U" at 13513.86,6348.64 h117.97
C: Mech6 "1U" at 7082.95,4098.64 h117.97
CAPS: Mech6 "1U" at 4174.64,4848.6 h117.97
D: Mech6 "1U" at 6707.95,4848.64 h117.97
DEL: Mech6 "1U" at 15517.95,7283.64 h117.97
DOWN: Mech6 "1U" at 14580.53,3158.84 h117.97
E: Mech6 "1U" at 6517.95,5598.64 h117.97
ENTER: Mech6 "1U" at 13926.59,4848.2 h117.97
ESC: Mech6 "1U" at 3892.75,7284.03 h117.97
F: Mech6 "1U" at 7457.95,4848.64 h117.97
F1: Mech6 "1U" at 5392.95,7283.64 h117.97
F2: Mech6 "1U" at 6142.95,7283.64 h117.97
F3: Mech6 "1U" at 6892.95,7283.64 h117.97
F4: Mech6 "1U" at 7642.95,7283.64 h117.97
F5: Mech6 "1U" at 8767.95,7283.64 h117.97
F6: Mech6 "1U" at 9517.95,7283.64 h117.97
F7: Mech6 "1U" at 10267.95,7283.64 h117.97
F8: Mech6 "1U" at 11017.95,7283.64 h117.97
F9: Mech6 "1U" at 12142.95,7283.64 h117.97
F10: Mech6 "1U" at 12892.95,7283.64 h117.97
F11: Mech6 "1U" at 13642.95,7283.64 h117.97
F12: Mech6 "1U" at 14392.95,7283.64 h117.97
FN: Mech6 "1U" at 12142.95,3348.64 h117.97
G: Mech6 "1U" at 8207.95,4848.64 h117.97
H: Mech6 "1U" at 8957.95,4848.64 h117.97
I: Mech6 "1U" at 10267.95,5598.64 h117.97
J: Mech6 "1U" at 9707.95,4848.64 h117.97
K: Mech6 "1U" at 10457.95,4848.64 h117.97
L: Mech6 "1U" at 11207.95,4848.64 h117.97
LALT: Mech6 "1U" at 5863.62,3348.6 h117.97
LCTRL: Mech6 "1U" at 3988.42,3348.44 h117.97
LEFT: Mech6 "1U" at 13830.53,3158.84 h117.97
LSHIFT: Mech6 "1U" at 4361.65,4098.6 h117.97
LWIN: Mech6 "1U" at 4923.86,3348.6 h117.97
M: Mech6 "1U" at 10082.95,4098.64 h117.97
MOD1: Mech6 "1U" at 15517.95,4098.64 h117.97
MOD2: Mech6 "1U" at 15517.95,4848.64 h117.97
MOD3: Mech6 "1U" at 15517.95,5598.64 h117.97
MOD4: Mech6 "1U" at 15517.95,6348.64 h117.97
N: Mech6 "1U" at 9332.95,4098.64 h117.97
O: Mech6 "1U" at 11017.95,5598.64 h117.97
P: Mech6 "1U" at 11767.95,5598.64 h117.97
Q: Mech6 "1U" at 5017.95,5598.64 h117.97
R: Mech6 "1U" at 7267.95,5598.64 h117.97
RALT: Mech6 "1U" at 11392.95,3348.64 h117.97
RCTRL: Mech6 "1U" at 12892.95,3348.64 h117.97
RIGHT: Mech6 "1U" at 15330.53,3158.84 h117.97
RSHIFT: Mech6 "1U" at 13367.95,4098.64 h117.97
S: Mech6 "1U" at 5957.95,4848.64 h117.97
SPACE: Mech6 "1U" at 8674.24,3348.6 h117.97
T: Mech6 "1U" at 8017.95,5598.64 h117.97
TAB: Mech6 "1U" at 4080.55,5598.6 h117.97
U: Mech6 "1U" at 9517.95,5598.64 h117.97
UP: Mech6 "1U" at 14580.53,3908.84 h117.97
V: Mech6 "1U" at 7832.95,4098.64 h117.97
W: Mech6 "1U" at 5767.95,5598.64 h117.97
X: Mech6 "1U" at 6332.95,4098.64 h117.97
Y: Mech6 "1U" at 8767.95,5598.64 h117.97
Z: Mech6 "1U" at 5582.95,4098.64 h117.97
~: Mech6 "1U" at 3892.95,6348.64 h117.97
?: Mech6 "1U" at 12892.95,6348.64 h117.97